# Altium PCB C210.PcbDoc (part 5 of 8) (continued)
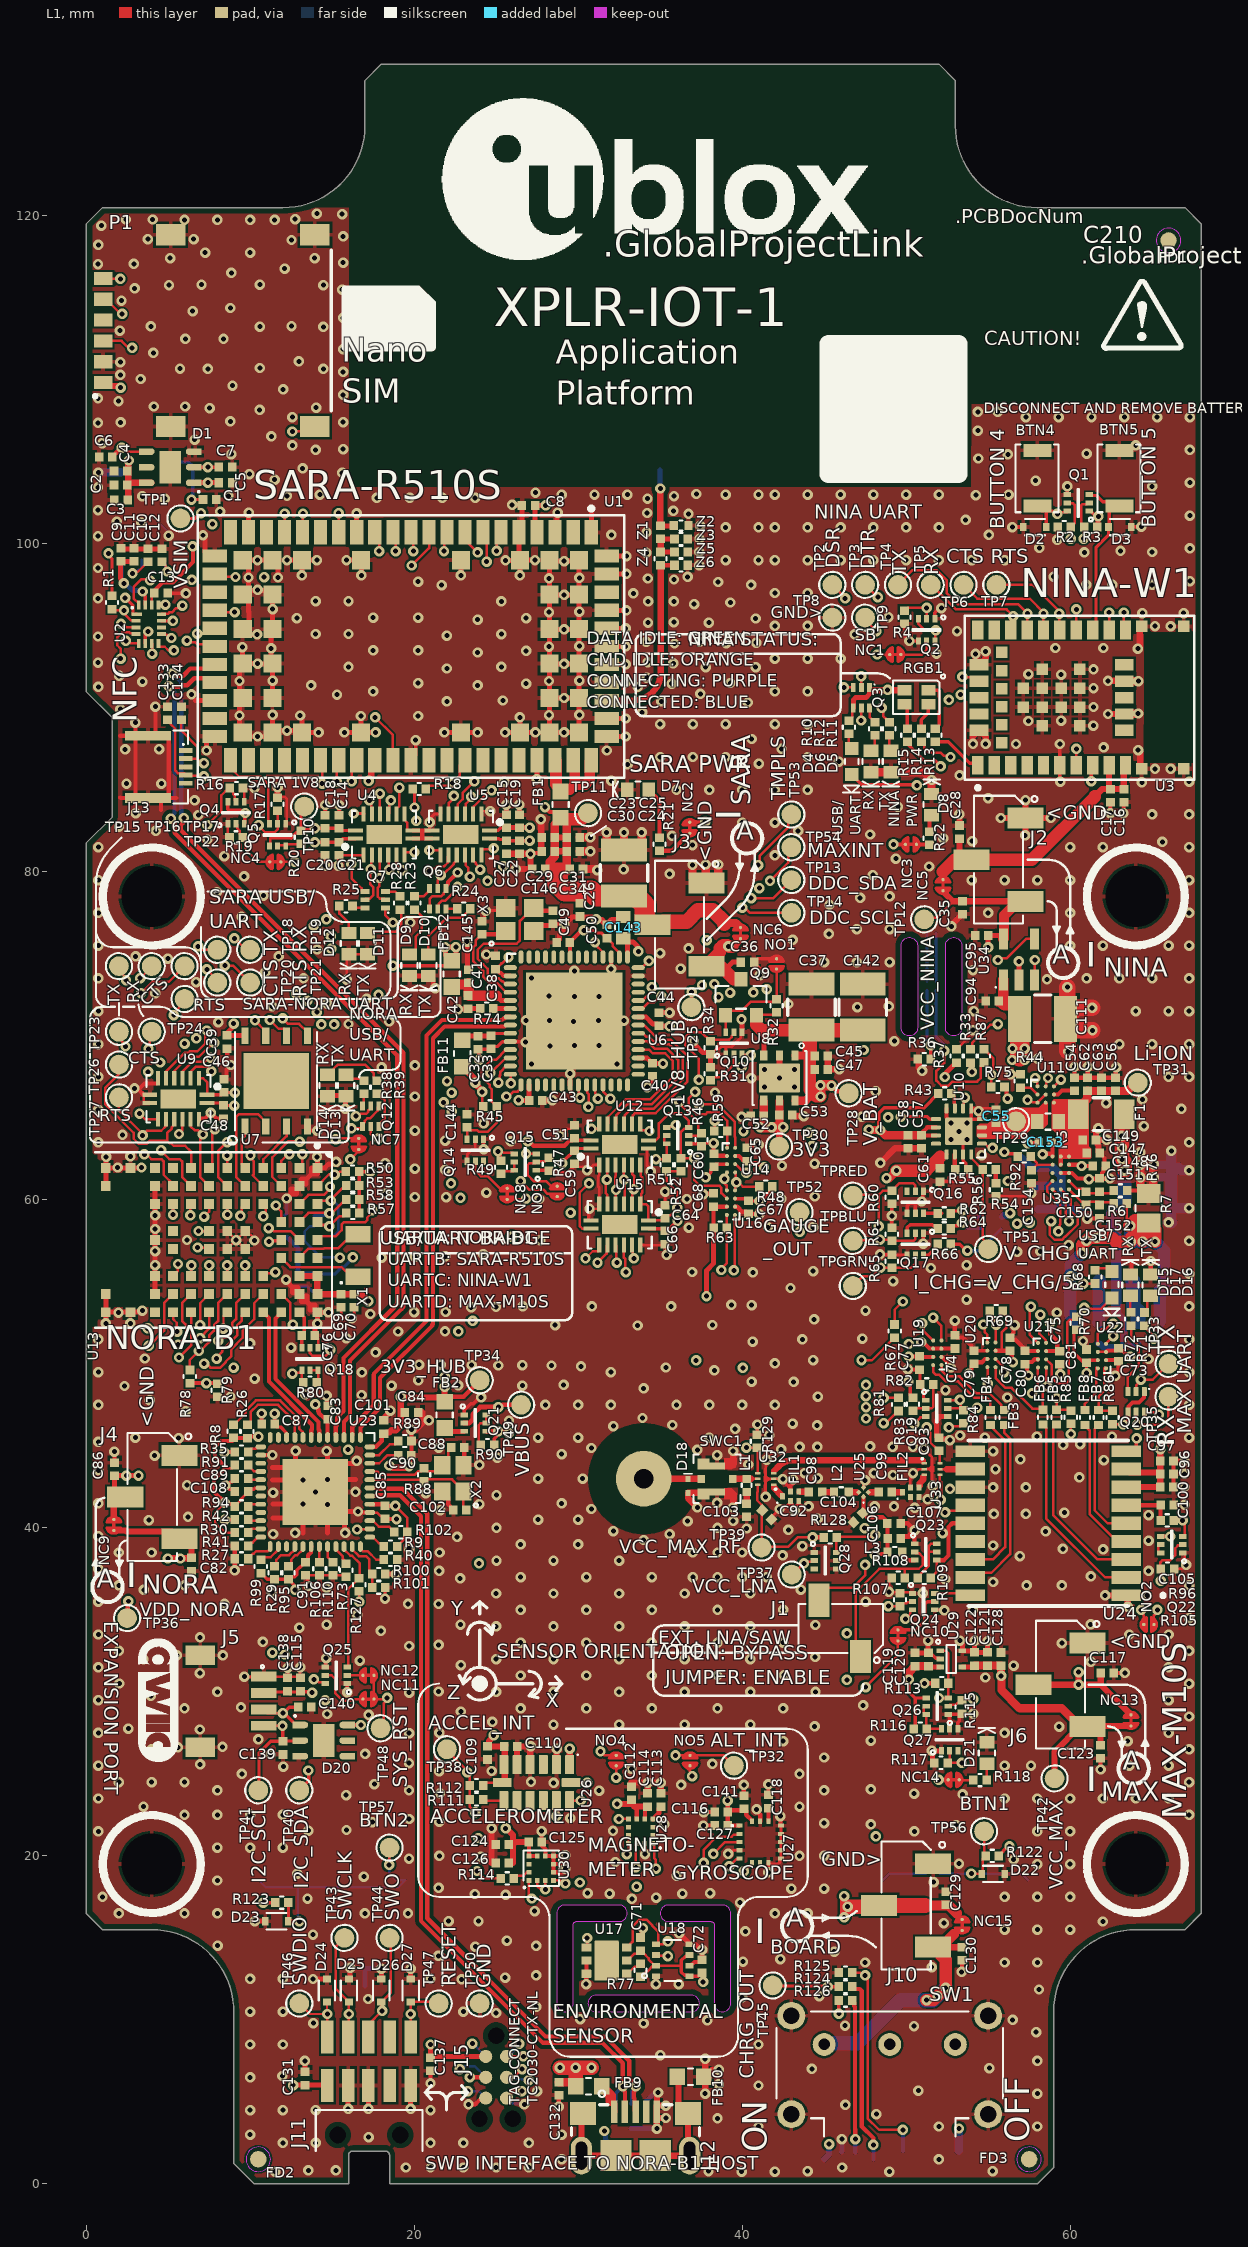
[diagram p0: L1 view]
## Nets (pads, with @x,y where several pads share a name; then routed paths per layer and width w, separated by ;. In a path a pad name is that pad's centre, name@x,y a point inside that pad or via, vN(x,y) a via of type N, cw(c..) or ccw(c..) an arc to the next point about the centre after c; other vN are vias at no path point) (continued)
NetFB9_1: FB9.1 J12.1 | length 1.9
  L1 w0.381: 32,5.075 32,5.07 32.2,4.87 J12.1@32.2,4.395
  L1 w0.635: FB9.1@31.447,5.95 31.447,5.925 32,5.372 32,5.075
NetFB10_2: FB10.2 J12.6 | length 14.4
  L1 w0.381: J12.6@30.3,4.295 30.201,4.196 J12.6@30.2,1.72 J12.6@36.8,1.721 36.7,1.821 J12.6@36.7,4.295 36.125,4.87 36.125,6.3 FB10.2@35.9,6.525
NetFIL1_1: FIL1.1 U32.1 | length 0.7
  L1 w0.391: 41.95,42.49 41.95,42.425 FIL1.1@42.4,41.975
NetFIL2_4: FIL2.4 U33.3 | length 0.6
  L1 w0.391: FIL2.4@50.821,42.571 50.821,42.724 51.054,42.958 51.054,43.111
NetJ1_1: J1.1 Q23.2 R108.1 | length 10.6
  L1 w0.152: J1.1@47.2,32.072 46.925,32.347 46.925,36.06 48.369,37.504 49.95,37.504 ; R108.1@49.913,36.954 49.913,37.467 49.95,37.504 ; Q23.2@50.513,38.529 50.587,38.455 50.773,38.455 51.011,38.218 51.011,37.746 50.769,37.504 49.95,37.504
NetJ1_2: J1.2 U24.13 | length 13.5
  L1 w0.152: J1.2@44.7,35.6 44.7,35.816 45.239,36.354 46.754,36.354 47.496,37.096 v1(47.496,37.75) ; v1(52.384,40.942) 52.514,40.942 52.628,41.055 53.589,41.055 U24.13@53.913,41.379
  L5 w0.152: v1(47.496,37.75) 48.383,37.75 49.162,38.529 51.814,38.529 52.761,39.476 52.761,40.546 52.384,40.923 v1(52.384,40.942)
NetJ14_1: J14.1 R200.2 R203.2 | length 2.6
  L6 w0.762: R203.2@61.713,52.531 61.751,52.531 61.757,52.537 61.757,55.057 J14.1@61.8,55.1
NetJ14_2: J14.2 R201.2 R202.2 | length 2.7
  L6 w0.889: J14.2@63.8,55.1 63.856,55.045 63.856,53.514 64.136,53.234 64.136,52.577 R201.2@64.141,52.572
NetL1_2: L1.2 SWC1.C U32.5 | length 1.5
  L1 w0.152: 40.556,42.987 40.561,42.983 U32.5@40.95,42.983
  L1 w0.391: SWC1.C@39.43,42.987 40.556,42.987
NetL2_1: L2.1 U25.4 | length 0.5
  L1 w0.391: L2.1@46.5,42.175 46.5,42.167 U25.4@47,42.167
NetL3_1: L3.1 Q23.3 | length 1
  L1 w0.254: L3.1@49.688,38.454 50.113,38.029 Q23.3@50.513,38.029
NetNC1_1: NC1.1 Q2.5 | length 2.2
  L1 w0.152: NC1.1@49.676,93.25 50.956,93.25 51.25,93.544 Q2.5@51.25,94.075
NetNC2_2: NC2.2 R21.2 | length 2.3
  L1 w0.254: R21.2@34.96,81.283 35.708,81.283 NC2.2@36.802,82.378
NetNC3_2: NC3.2 R22.2 | length 0.8
  L1 w0.254: NC3.2@50.625,81.675 51.4,81.675 R22.2@51.425,81.65
NetNC4_1: NC4.1 Q4.2 R19.1 | length 3.6
  L1 w0.152: Q4.2@9.142,82.931 9.217,82.856 9.217,82.647 9.365,82.5 9.365,82.278 R19.1@9.542,82.1 9.692,81.95 9.692,81.408 10.493,80.607 NC4.1@11.198,80.607
NetNC7_1: NC7.1 U31.5 | length 11.1
  L1 w0.152: v1(16.116,62.474) 16.116,62.481 16.625,62.99 NC7.1@16.625,63.07
  L3 w0.152: v1(15.472,56.474) 15.472,56.586 16.304,57.418 16.304,62.144 16.281,62.167 16.281,62.179 16.116,62.344 v1(16.116,62.474)
  L6 w0.152: U31.5@13.9,58.4 13.646,58.4 13.325,58.079 13.325,57.49 14.32,56.494 15.452,56.494 v1(15.472,56.474)
NetNC8_1: NC8.1 Q14.5 | length 3
  L1 w0.152: Q14.5@23.731,62.351 23.731,61.807 23.725,61.801 24.071,61.454 24.475,61.454 25.229,60.701 NC8.1@25.675,60.701
NetNC10_1: NC10.1 Q24.5 | length 3.5
  L1 w0.203: NC10.1@49.5,33.779 50.572,33.779 51.143,34.35 51.143,35.343 51.301,35.5 51.734,35.5 Q24.5@51.738,35.504
NetNC11_1: NC11.1 Q25.5 | length 3.5
  L1 w0.152: Q25.5@14.575,31.006 14.974,31.006 15.2,30.78 15.2,29.908 15.659,29.449 16.29,29.449 16.4,29.559 NC11.1@16.875,29.559
NetNC12_1: NC12.1 Q25.2 | length 1
  L1 w0.152: Q25.2@15.925,31.006 Q25.2@15.925,31.006 NC12.1@16.875,31.007
NetNC14_1: NC14.1 Q26.3 R113.1 U29.1 | length 9.5
  L1 w0.152: v1(51.985,24.636) 51.986,24.637 NC14.1@52.563,24.637 ; v1(52.006,29.625) Q26.3@52.575,29.625 R113.1@52.575,30.525 52.575,32.35 52.419,32.506 U29.1@52.075,32.506
  L3 w0.152: v1(51.985,24.636) 52.109,24.76 52.109,26.19 52.109,26.642 52.109,29.521 v1(52.006,29.625)
NetNC14_2: NC14.2 R118.2 | length 0.9
  L1 w0.152: NC14.2@53.238,24.637 53.257,24.619 R118.2@54.1,24.619
NetNO1_1: NO1.1 Q9.1 Q10.6 R32.1 | length 6.8
  L1 w0.152: Q9.1@38.733,71.027 38.742,71.017 Q9.1@38.975,71.25 ; Q10.6@38.999,70.225 38.999,71.226 Q9.1@38.975,71.25 ; R32.1@42.099,72.235 R32.1@42.108,72.244 ; NO1.1@42.1,74.075 42.1,73.9 42.1,72.092 40.552,72.092 39.998,71.538 39.263,71.538 Q9.1@38.975,71.25
NetNO2_2: NO2.2 Q22.3 R96.2 | length 8.7
  L1 w0.152: NO2.2@65.111,34.106 65.111,34.459 65.111,34.668 65.317,34.874 v1(65.317,35.004) ; R96.2@66.323,40.454 66.335,40.466 66.35,40.451 v1@66.85,40.451 ; v1(66.86,40.451) v1@66.85,40.451 ; Q22.3@66.863,39.479 66.975,39.591 66.975,40.326 v1@66.85,40.451
  L4 w0.152: v1(65.317,35.004) 66.046,35.733 66.046,38.621 66.86,39.435 v1(66.86,40.451)
NetNO3_1: NO3.1 Q15.2 R47.2 | length 4.2
  L1 w0.152: R47.2@28.22,62.569 28.005,62.355 27.498,62.355 Q15.2@27.447,62.304 27.383,62.24 27.046,62.24 26.927,62.12 26.927,61.509 27.308,61.128 28.068,61.128 28.372,60.824 NO3.1@28.725,60.824
NetNO4_1: NO4.1 U28.7 | length 4.3
  L1 w0.152: v1(32.314,24.775) 32.325,24.786 32.325,25.325 NO4.1@32.325,25.5 ; v1(32.482,22.25) U28.7@33.075,22.25
  L3 w0.152: v1(32.314,24.775) 32.925,24.164 32.925,22.693 v1(32.482,22.25)
NetNO5_1: NO5.1 U27.6 | length 8.8
  L1 w0.15: 36.775,25.328 NO5.1@36.775,25.471
  L1 w0.152: 36.503,25.5 NO5.1@36.825,25.5 ; 36.725,25.278 36.814,25.189 36.814,25.167 36.949,25.032 v1(36.949,24.857) ; v1(40.1,19.054) 40.129,19.054 40.6,19.525 U27.6@40.6,19.575
  L3 w0.152: v1(36.949,24.857) 36.949,24.166 39.825,21.29 39.825,19.46 40.1,19.185 v1(40.1,19.054)
NetQ1_2: Q1.2 Q5.2 R3.1 R17.2 U13.C4 | length 96.6
  L1 w0.15: v1(10.525,82.844) 10.525,82.8 10.921,82.404 11.488,82.404 11.672,82.589 Q5.2@11.672,82.925 R17.2@11.672,83.725 ; v1(11.57,59.654) 11.558,59.642 11.9,59.3 U13.C4@11.9,58.65
  L1 w0.152: v1(60.821,100.319) 60.821,100.996 R3.1@60.85,101.025 60.673,101.202 60.673,102.336 60.762,102.425 61.025,102.425 61.1,102.5 Q1.2@61.175,102.5
  L3 w0.15: v1(10.525,82.844) 10.525,82.073 15.472,77.127 15.472,74.389 14.065,72.981 v1(14.065,71.444) 13.775,71.154 13.775,70.326 12.148,68.698 12.148,63.707 11.843,63.402 11.843,61.643 11.2,61 11.2,60.024 v1(11.57,59.654)
  L4 w0.152: v1(14.065,71.444) 14.065,72.367 16.543,74.846 20.523,74.846 21.945,76.267 23.808,76.267 24.596,75.479 25.871,75.479 26.16,75.19 32.495,75.19 33.422,76.118 36.819,76.118 37.627,75.31 38.161,75.31 39.576,76.725 40.663,76.725 44.871,80.934 44.871,82.903 52,90.032 52,91.805 58.716,98.521 59.023,98.521 v1(60.821,100.319)
NetQ1_5: Q1.5 R2.1 R81.2 U13.D3 | length 118.9
  L1 w0.152: v1(10.8,59) 10.95,59.15 10.95,59.6 U13.D3@10.8,59.75 ; v1(48.629,47.929) 49.521,47.929 R81.2@49.525,47.925 ; Q1.5@59.825,102.5 59.858,102.467 60.186,102.467 60.275,102.378 60.275,101.265 60.025,101.015 v1(60.025,100.3)
  L3 w0.152: v1(10.8,59) 10.8,61.03 11.539,61.769 11.539,63.528 11.844,63.833 11.844,68.824 13.471,70.451 13.471,71.28 13.49,71.299 13.49,72.143 v1(13.494,72.146) ; v1(37.843,75.83) 37.843,75.7 38.084,75.458 38.084,75.257 38.084,75.01 39.878,73.216 39.878,72.517 38.864,71.503 38.864,62.054 38.396,61.586 38.396,60.826 40.038,59.184 v1(40.038,49.758)
  L4 w0.152: v1(13.494,72.146) 13.494,72.213 16.438,75.157 20.44,75.157 21.829,76.547 23.922,76.547 23.923,76.548 28.051,76.548 29.039,77.536 30.625,77.536 30.734,77.646 35.931,77.646 37.58,75.997 37.606,75.997 37.773,75.83 v1(37.843,75.83) ; v1@37.95,75.862 39.109,77.021 40.528,77.021 44.566,81.06 44.566,83.029 51.695,90.158 51.695,91.895 58.6,98.8 58.907,98.8 59.982,99.875 59.982,100.257 v1(60.025,100.3) ; v1(40.038,49.758) 40.169,49.758 40.31,49.9 41.002,49.9 41.669,49.233 42.737,49.233 42.925,49.421 47.8,49.421 48.221,49 48.221,48.337 v1(48.629,47.929)
NetQ2_2: Q2.2 R4.1 U13.G7 | length 75.9
  L1 w0.152: U13.G7@7.5,55.35 v1(7.5,56) ; R4.1@49.9,95.9 50.1,96.1 v1(51.25,96.1) ; Q2.2@51.25,95.425 v1@51.25,96.125
  L3 w0.152: v1(7.5,56) 7.5,56.548 7.5,57 8.674,58.174 9.751,58.174 10.25,58.672 10.25,60.911 11.235,61.895 11.235,63.654 11.539,63.959 11.539,68.996 13.167,70.623 13.167,71.249 12.731,71.684 12.731,72.466 v1(12.821,72.556)
  L4 w0.152: v1(12.821,72.556) 12.847,72.556 13.246,72.955 13.805,72.955 16.287,75.437 20.324,75.437 21.714,76.826 23.518,76.826 23.519,76.827 27.744,76.827 28.732,77.816 30.509,77.816 30.619,77.925 36.08,77.925 36.705,77.3 40.376,77.3 44.262,81.186 44.262,83.156 51.25,90.144 v1(51.25,96.1)
NetQ2_3: Q2.3 Q2.6 U3.19 | length 12.9
  L1 w0.152: Q2.3@50.75,95.425 50.75,95.117 51.117,94.75 51.776,94.75 v1(51.796,94.73) ; Q2.6@51.75,94.075 51.7,94.125 51.775,94.2 v1@51.775,94.75 ; U3.19@60.375,94.75 v1(60.375,96)
  L3 w0.152: v1(51.796,94.73) 51.796,94.771 53.316,96.291 60.084,96.291 v1(60.375,96)
NetQ3_3: Q3.3 R11.2 | length 6.8
  L1 w0.152: v1(46.2,91.25) Q3.3@46.775,91.25 ; v1(48.5,90) 48.592,89.908 48.592,89.508 48.776,89.324 48.776,89.309 48.96,89.125 R11.2@48.975,89.125
  L3 w0.152: v1(46.2,91.25) 46.725,90.725 46.725,89.021 47.071,88.675 47.438,88.675 47.775,89.012 47.775,89.371 48.404,90 v1(48.5,90)
NetQ3_6: Q3.6 R12.2 | length 1
  L1 w0.152: Q3.6@47.775,90 47.775,89.435 48.085,89.125 R12.2@48.1,89.125
NetQ4_3: Q4.3 Q4.6 U1.18 | length 23.1
  L1 w0.152: U1.18@12.1,100.7 v1(12.1,101.85)
  L1 w0.203: Q4.6@8.642,84.281 8.642,83.82 8.688,83.775 9.407,83.775 v1@9.626,83.556 ; Q4.3@9.642,82.931 9.673,82.962 9.673,83.556 v1(9.704,83.586)
  L3 w0.152: v1(9.704,83.586) 9.704,83.618 10.811,84.725 10.811,87.636 11.701,88.526 11.701,88.871 12.244,89.414 12.244,98.175 11.704,98.715 11.704,99.281 12.1,99.678 v1(12.1,101.85)
NetQ4_5: Q4.5 R16.1 U13.E3 | length 32.5
  L1 w0.152: v1(7.384,82.856) 8.241,83.714 8.241,84.656 R16.1@8.691,85.106 ; R16.1@8.765,85.106 8.765,85.032 8.965,84.831 8.965,84.734 9.065,84.634 9.065,84.359 Q4.5@9.142,84.281 ; v1(9.399,59.025) 9.476,59.102 9.476,59.526 U13.E3@9.7,59.75
  L3 w0.152: v1(7.384,82.856) 7.425,82.815 7.81,82.815 12.707,77.918 12.707,73.798 12.275,73.366 12.275,71.68 12.568,71.387 12.568,70.887 10.93,69.249 10.93,64.211 10.625,63.907 10.625,62.148 9.399,60.922 v1(9.399,59.025)
NetQ5_3: Q5.3 U1.33 | length 5.6
  L1 w0.152: U1.33@8.8,86.8 8.8,86.335 9.335,85.799 10.651,85.799 11.1,85.35 11.1,82.997 Q5.3@11.172,82.925
NetQ5_5: Q5.5 Q5.6 R20.2 | length 1.6
  L1 w0.152: Q5.5@11.672,81.575 11.672,81.625 Q5.6@12.172,81.625 ; Q5.6@12.172,81.575 12.172,81.675 R20.2@13.097,81.675
NetQ6_3: Q6.3 R24.2 | length 0.7
  L1 w0.152: Q6.3@21.942,77.749 R24.2@22.625,77.75 R24.2@22.625,77.75
NetQ6_6: Q6.6 R23.2 | length 1.2
  L1 w0.152: R23.2@20.025,78.5 20.568,78.5 20.942,78.874 Q6.6@20.942,78.999
NetQ7_3: Q7.3 R28.2 | length 1
  L1 w0.15: Q7.3@18.25,78.8 18.85,78.8 R28.2@19.15,78.5
NetQ7_6: Q7.6 R25.2 | length 0.8
  L1 w0.152: R25.2@16.242,77.907 16.349,77.8 Q7.6@17,77.8
NetQ10_2: Q10.2 R31.1 U13.C1 | length 40.7
  L1 w0.152: U13.C1@11.9,61.95 11.9,62.375 12.312,62.787 v1(12.396,62.787) ; R31.1@38.075,67.3 38.259,67.483 38.737,67.483 39.499,68.245 ; Q10.2@39.499,68.875 39.499,68.245 ; v1(39.968,68.125) 39.876,68.217 39.526,68.217 39.499,68.245
  L3 w0.152: v1(12.396,62.787) 12.388,62.795 12.388,63.518 12.451,63.581 12.451,68.573 14.275,70.396 14.275,70.706 v1(14.339,70.706)
  L4 w0.152: v1(14.339,70.706) 15.208,71.575 17.727,71.575 18.252,72.1 19.295,72.1 20.666,70.729 24.575,70.729 25.165,70.139 29.285,70.139 29.347,70.078 30.067,70.078 30.11,70.121 34.484,70.121 35.766,68.839 39.254,68.839 v1(39.968,68.125)
NetQ10_3: Q10.3 U1.15 | length 57.6
  L1 w0.152: v1(15.397,101.875) 15.397,100.703 U1.15@15.4,100.7 ; Q10.3@39.999,68.875 40.025,68.849 40.503,68.849 v1(40.529,68.823)
  L3 w0.152: v1(15.397,101.875) 15.397,100.95 18.197,98.15 18.197,87.55 16.704,86.057 16.704,84.012 16.834,83.882 16.834,79.243 16.987,79.09 16.987,73.638 17.739,72.886 17.739,72.591 v1(17.825,72.505)
  L4 w0.152: v1(17.825,72.505) 17.917,72.412 18.122,72.412 18.156,72.379 19.411,72.379 20.781,71.009 24.71,71.009 25.3,70.419 29.448,70.419 29.509,70.357 29.941,70.357 29.984,70.401 34.623,70.401 35.905,69.118 39.37,69.118 39.666,68.823 v1(40.529,68.823)
NetQ10_5: Q10.5 R34.1 U13.C2 | length 43.5
  L1 w0.152: U13.C2@11.9,60.85 11.35,61.4 11.35,62.584 12.349,63.584 12.993,63.584 v1(13.022,63.554) ; v1(37.355,67.321) 37.355,68.608 36.543,69.42 36.543,69.904 36.582,69.943 36.582,69.975 36.819,70.212 37.523,70.212 38.06,69.675 R34.1@38.075,69.675 38.175,69.775 39.211,69.775 39.352,69.916 39.352,70.003 39.499,70.15 Q10.5@39.499,70.225
  L3 w0.152: v1(13.022,63.554) 13.022,63.587 12.756,63.853 12.756,68.344 15.118,70.706 v1(15.127,70.706)
  L4 w0.152: v1(15.127,70.706) 15.685,71.263 15.769,71.263 15.773,71.267 17.896,71.267 18.45,71.82 19.18,71.82 20.55,70.45 24.459,70.45 26.088,68.821 35.389,68.821 35.65,68.56 36.171,68.56 37.355,67.376 v1(37.355,67.321)
NetQ12_3: Q12.3 R39.2 | length 2.4
  L1 w0.152: R39.2@17.733,66.475 17.748,66.475 18.02,66.203 18.08,66.203 18.211,66.072 18.211,64.957 17.855,64.6 Q12.3@17.855,64.475
NetQ12_6: Q12.6 R38.2 | length 0.8
  L1 w0.152: Q12.6@16.855,65.725 16.855,65.85 16.931,65.927 R38.2@16.931,66.475
NetQ13_2: Q13.2 R46.1 U13.J7 | length 44.2
  L1 w0.152: U13.J7@5.3,55.35 5.601,55.651 5.601,55.985 5.549,56.037 v1(5.601,56.089) ; v1(36.171,65.984) 36.171,65.878 37.326,64.723 37.326,64.258 37.51,64.074 R46.1@37.525,64.074 37.374,63.923 Q13.2@36.75,63.923
  L4 w0.152: v1(5.601,56.089) 6.058,56.546 8.596,56.546 8.925,56.875 11.388,56.875 12.829,58.316 12.829,60.296 11.85,61.275 11.85,63.225 12.725,64.1 13.325,64.1 13.925,63.5 14.476,63.5 14.805,63.171 15.579,63.171 15.733,63.325 16.478,63.325 16.755,63.047 22.597,63.047 23.546,63.996 24.921,63.996 25.367,64.442 29.274,64.442 29.977,65.145 32.781,65.145 32.915,65.28 34.835,65.28 35.539,65.984 v1(36.171,65.984)
NetQ15_3: Q15.3 U1.17 | length 50.9
  L1 w0.15: U1.17@13.2,100.7 13.221,100.721 v1(13.221,101.85) ; v1(26.819,62.81) 26.822,62.807 27.444,62.807 Q15.3@27.447,62.804
  L3 w0.15: v1(13.221,101.85) 13.224,101.853 14.55,101.853 15.148,102.45 16.7,102.45 17.95,101.2 19.975,101.2 21,100.175 21,84.019 25.025,79.994 25.025,68.709 26.895,66.84 26.895,65 26.414,64.52 26.414,63.233 26.819,62.827 v1(26.819,62.81)
NetQ15_5: Q15.5 Q15.6 R49.2 | length 1.4
  L1 w0.152: R49.2@25.296,61.586 25.338,61.586 25.502,61.75 26.043,61.75 Q15.6@26.097,61.804 Q15.5@26.097,62.304
NetQ16_6: Q16.6 R62.1 | length 1.1
  L1 w0.203: Q16.6@51.063,59.175 R62.1@52.168,59.175
NetQ17_3: Q17.3 R64.1 | length 2.4
  L1 w0.203: Q17.3@50.063,57.97 50.075,57.982 50.075,58.325 50.242,58.492 51.602,58.492 51.852,58.242 R64.1@51.919,58.242
NetQ17_6: Q17.6 R66.1 | length 1.1
  L1 w0.203: Q17.6@51.063,56.62 51.347,56.62 R66.1@51.919,57.192
NetQ18_5: Q18.5 Q18.6 R80.2 | length 1.3
  L1 w0.152: Q18.5@13.65,49.621 Q18.6@14.15,49.621 14.15,48.95 R80.2@14.05,48.85
NetQ19_2: Q19.2 R82.1 R83.1 | length 2.7
  L1 w0.152: R83.1@50.413,47.129 50.563,47.279 Q19.2@51.188,47.279 51.558,47.279 51.663,47.384 R82.1@51.663,48.749
NetQ19_5: Q19.5 Q19.6 R84.2 U20.C2 | length 7.1
  L1 w0.152: Q19.5@52.538,47.279 53.388,47.279 R84.2@53.488,47.179 53.332,47.336 53.332,47.751 v1@53.225,47.858 ; Q19.6@52.538,47.779 52.602,47.843 52.652,47.793 53.266,47.793 v1(53.279,47.806) ; U20.C2@55.45,50.3 55.878,49.872 55.878,49.592 v1(55.971,49.5)
  L4 w0.152: v1(53.279,47.806) 54.072,48.599 54.072,48.8 54.772,49.5 v1(55.971,49.5)
NetQ20_3: Q20.3 R72.2 | length 4.5
  L1 w0.152: Q20.3@63.525,48.3 63.525,49.225 64.189,49.889 64.189,51.078 63.725,51.542 R72.2@63.725,52.336
NetQ20_6: Q20.6 R71.2 | length 6.8
  L1 w0.152: Q20.6@64.525,47.05 65.268,47.05 v1(65.418,46.9) ; R71.2@64.525,52.332 64.54,52.332 64.724,52.148 64.724,52.06 65.005,51.78 65.005,51.628 v1(65.097,51.535)
  L4 w0.152: v1(65.097,51.535) 65.097,51.53 65.418,51.21 v1(65.418,46.9)
NetQ21_5: Q21.5 Q21.6 R90.2 | length 2.3
  L1 w0.152: R90.2@24.076,45.05 23.938,45.188 23.938,46.27 24.057,46.388 Q21.5@24.403,46.388 Q21.6@24.403,46.888
NetQ22_2: Q22.2 R67.2 R105.1 | length 36.5
  L1 w0.152: R67.2@49.3,52.4 49.3,53.3 v1(49.8,53.8) ; v1(65.525,36.775) 65.538,36.788 R105.1@65.538,37.504 65.5,37.543 65.5,37.9 65.629,38.029 66.104,38.029 66.41,38.335 66.41,38.759 66.576,38.925 66.809,38.925 Q22.2@66.863,38.979
  L4 w0.152: v1(49.8,53.8) 49.827,53.827 50.24,53.827 50.663,54.25 52.425,54.25 53.164,54.989 54.18,54.989 54.898,54.271 61.208,54.271 62.369,53.11 62.71,53.11 63.173,52.648 63.173,51.676 64.189,50.659 64.189,50.016 64.871,49.334 64.871,44.514 65.525,43.861 v1(65.525,36.775)
NetQ22_5: Q22.5 Q22.6 | length 0.6
  L1 w0.152: Q22.6@65.4,38.525 65.363,38.562 65.363,38.925 65.418,38.979 Q22.5@65.513,38.979
NetQ23_5: Q23.5 Q23.6 R109.1 | length 3.2
  L1 w0.152: R109.1@50.713,36.954 50.713,37.029 51.388,37.704 51.388,38.529 ; Q23.5@51.863,38.529 51.388,38.529 ; Q23.6@51.863,39.029 51.511,39.029 51.388,38.906 51.388,38.529
NetQ24_2: Q24.2 R81.1 R107.1 | length 14.3
  L1 w0.152: v1(48.629,46.381) 48.721,46.473 48.858,46.473 49.51,47.125 R81.1@49.525,47.125 ; v1(48.921,35.225) R107.1@49.625,35.225 49.8,35.4 50.013,35.4 50.063,35.45 50.334,35.45 Q24.2@50.388,35.504
  L3 w0.152: v1(48.629,46.381) 48.6,46.353 48.6,42.662 48.66,42.603 48.66,36.825 48.429,36.595 48.429,35.716 v1(48.921,35.225)
NetQ24_3: Q24.3 U24.9 | length 21.7
  L1 w0.152: v1(49.95,34.45) 50.25,34.75 50.25,34.866 Q24.3@50.388,35.004
  L1 w0.203: U24.9@63.413,44.679 64.032,44.679 64.032,45.432 v1(64.054,45.454)
  L4 w0.203: v1(49.95,34.45) 50.033,34.367 50.252,34.367 50.285,34.334 54.309,34.334 64.054,44.079 v1(64.054,45.454)
NetQ24_6: Q24.6 U24.18 | length 2.2
  L1 w0.152: Q24.6@51.738,36.004 53.788,36.004 U24.18@53.913,35.879
NetQ25_3: Q25.3 R127.2 U23.34 | length 8.1
  L1 w0.152: U23.34@15.725,38.862 15.725,38.687 16.112,38.3 16.217,38.3 16.671,37.847 R127.2@16.671,36.93 ; Q25.3@15.925,31.506 15.975,31.556 15.975,36.277 16.291,36.593 16.298,36.593 16.635,36.93 R127.2@16.65,36.93
NetQ26_2: Q26.2 R115.1 U13.D8 | length 78.5
  L1 w0.152: v1(7.199,50.017) 7.33,50.017 7.571,49.776 7.728,49.776 7.734,49.769 8.187,49.769 8.506,50.089 8.506,50.126 8.853,50.473 8.853,50.91 9.55,51.607 9.55,52.023 10.25,52.723 10.25,53.7 U13.D8@10.8,54.25 ; Q26.2@52.575,29.125 52.65,29.2 53,29.2 R115.1@53.275,29.475 ; R115.1@53.393,29.475 R115.1@53.275,29.475 ; v1(54.088,29.554) 53.354,29.554 R115.1@53.275,29.475
  L3 w0.152: v1(54.088,29.554) 52.555,31.088 52.555,33.924 53.39,34.759 53.39,38.552 54.175,39.336 54.175,47.153 v1(54.347,47.325)
  L4 w0.152: v1(7.199,50.017) 7.199,50.199 7.425,50.425 7.425,50.59 7.703,50.868 8.208,50.868 8.426,50.65 10.965,50.65 11.853,51.538 12.865,51.538 14.082,50.322 17.226,50.322 17.389,50.159 17.978,50.159 18.926,51.107 39.668,51.107 40.221,50.554 43.931,50.554 44.12,50.742 47.502,50.742 50.958,47.286 53.495,47.286 53.534,47.325 v1(54.347,47.325)
NetQ26_5: Q26.5 Q26.6 Q27.6 R116.2 | length 2.4
  L1 w0.152: Q26.6@51.175,28.65 51.075,28.75 51.075,29.05 51.15,29.125 Q26.5@51.225,29.125 ; Q26.6@51.225,28.625 51.213,28.613 51.213,27.787 R116.2@51.25,27.75 Q27.6@52.15,27.75
NetQ27_2: Q27.2 R117.1 U1.23 | length 117.1
  L1 w0.152: U1.23@7.85,98.15 8.025,97.975 8.03,97.98 v1(9.11,97.98) ; Q27.2@52.65,26.4 52.65,25.8 R117.1@52.525,25.675 v1(53.393,25.675)
  L3 w0.152: v1(9.11,97.98) 9.055,97.98 7.864,96.789 7.864,90.368 7.871,90.361 7.871,83.94 13.648,78.163 13.648,77.496 13.876,77.268 13.876,76.736 v1(13.889,76.722) ; v1(41.05,79.01) 41.121,78.939 41.121,78.191 41.635,77.678 41.635,75.45 46.86,70.225 46.86,68.878 47.165,68.573 47.895,68.573 50.761,65.708 50.761,62.966 53.975,59.752 53.975,57.925 53.125,57.075 53.125,53.514 53.612,53.026 53.612,51.993 54.35,51.255 54.35,48.976 53.801,48.427 53.801,46.92 53.87,46.851 53.87,39.463 53.085,38.678 53.085,34.885 52.25,34.05 52.25,30.869 53.393,29.725 v1(53.393,25.675)
  L4 w0.152: v1(13.889,76.722) 13.982,76.63 14.383,76.63 14.434,76.578 14.866,76.578 14.869,76.581 15.743,76.581 16.049,76.275 19.977,76.275 21.366,77.664 23.171,77.664 24.161,78.654 30.162,78.654 30.271,78.763 40.177,78.763 40.423,79.01 v1(41.05,79.01)
NetQ28_6: Q28.6 R128.1 U33.4 | length 9.8
  L1 w0.152: Q28.6@45.75,38.5 45.75,39.4 45.805,39.455 47.861,39.455 47.982,39.576 v1(48.112,39.576) ; U33.4@52.064,43.233 52.064,42.872 52.146,42.791 52.146,41.765 v1(52.106,41.725)
  L5 w0.152: v1(48.112,39.576) 49.034,39.576 49.901,40.443 50.823,40.443 v1(52.106,41.725)
NetR6_2: R6.2 R7.2 R202.1 R203.1 | length 23.9
  L1 w0.152: R6.2@63.464,59.767 63.464,58.743 63.668,58.539 v1(63.668,58.408)
  L1 w0.762: v1(60.731,56.762) 60.731,57.248 v1(60.983,57.5) 61.177,57.695 62.543,57.695 62.783,57.455 v1(63.7,57.455) 63.7,57.648 64.447,58.395 64.447,57.477 v1(64.425,57.455) ; R7.2@64.791,58.589 64.941,58.589 65.135,58.395 65.135,58.245 65.175,58.206 v1(65.175,57.455)
  L1 w0.889: v1(63.668,58.408) 63.772,58.512 64.128,58.512 63.975,58.683 63.96,58.7 ; R7.2@64.42,58.7 64.681,58.7 R7.2@64.791,58.589
  L6 w0.762: R203.1@60.413,52.531 60.413,52.594 60.019,52.988 60.019,54.434 59.986,54.466 59.986,55.228 60.044,55.287 60.044,56.076 v1(60.731,56.762) 60.731,57.248 v1(60.983,57.5) 61.177,57.695 v1(61.626,57.695) ; v1(63.668,58.408) 63.668,57.486 v1(63.7,57.455) v1(65.175,57.455) 65.745,56.885 65.745,54.771 65.45,54.477 R202.1@65.45,52.568
  other v1: 60.044,55.348
NetR8_1: R8.1 U23.8 | length 6.4
  L1 w0.152: R8.1@9,46.288 9.015,46.288 9.744,47.018 9.744,47.168 10.348,47.772 11.826,47.772 13.004,46.593 13.004,46.039 13.197,45.846 13.197,45.54 U23.8@13.225,45.512
NetR9_2: R9.2 U23.37 | length 1.1
  L1 w0.152: U23.37@17.3,39.437 17.475,39.437 17.851,39.061 17.977,39.061 18.161,38.877 R9.2@18.161,38.862
NetR13_1: R13.1 U3.1 | length 3.2
  L1 w0.203: R13.1@51.775,87.925 52.575,87.925 53.882,86.618 ; 53.887,86.618 53.882,86.618 ; U3.1@54.375,86.5 54.257,86.618 53.882,86.618
NetR13_2: R13.2 RGB1.1 | length 3.1
  L1 w0.203: RGB1.1@51.35,91.075 51.945,91.075 52.017,91.003 52.017,90.667 52.029,90.655 52.029,89.795 52.017,89.783 52.017,88.967 R13.2@51.775,88.725
NetR14_2: R14.2 RGB1.2 | length 1.7
  L1 w0.203: R14.2@50.925,88.725 50.925,89.264 51.35,89.689 RGB1.2@51.35,90.225
NetR15_1: R15.1 U3.8 | length 13.4
  L1 w0.203: R15.1@50.075,87.925 50.075,87.817 51.105,86.787 51.77,86.787 52.105,86.453 v1(52.105,86.426) ; v1(61.29,85.525) 61.29,86.415 U3.8@61.375,86.5
  L3 w0.203: v1(52.105,86.426) 52.107,86.429 53.004,86.429 53.15,86.575 60.24,86.575 v1(61.29,85.525)
NetR15_2: R15.2 RGB1.3 | length 1.6
  L1 w0.203: RGB1.3@49.9,90.225 50.075,90.05 R15.2@50.075,88.725
NetR18_2: R18.2 TP53.1 U1.46 U22.D2 | length 71.6
  L1 w0.152: R18.2@20.722,85.05 20.722,85.065 20.906,85.249 22.04,85.249 22.217,85.425 v1(22.347,85.425) 22.796,85.874 22.796,86.496 U1.46@23.1,86.8 ; v1@40.95,80.425 41.067,80.542 41.067,80.96 42.8,82.693 42.8,83.3 TP53.1@43,83.5 ; U22.D2@61.688,51.225 61.688,51.862 61.942,52.116 62.188,52.116 62.526,52.455 v1(62.63,52.455)
  L3 w0.152: v1(22.347,85.425) 21.857,84.935 21.857,83.661 25.09,80.428 25.334,80.428 v1(25.426,80.336) ; v1(40.975,80.414) 40.975,80.175 41.788,80.175 42.25,79.713 42.25,75.625 51.7,66.175 51.7,63.355 55.006,60.05 56.61,60.05 57.171,59.489 57.779,59.489 58.326,58.942 58.326,58.075 60.143,56.259 60.57,56.259 61.656,55.174 61.656,52.97 62.083,52.542 62.542,52.542 v1(62.63,52.455)
  L4 w0.152: v1(25.426,80.336) 25.442,80.32 25.57,80.32 25.971,80.721 26.423,80.721 26.595,80.55 30.832,80.55 31.332,81.05 40.339,81.05 v1(40.975,80.414)
NetR26_1: R26.1 U23.9 | length 5.1
  L1 w0.152: R26.1@9.825,46.275 9.84,46.275 10.024,46.459 10.024,47.053 10.464,47.493 11.71,47.493 12.725,46.478 U23.9@12.725,45.512
NetR27_2: R27.2 U23.25 | length 1.8
  L1 w0.152: R27.2@9.875,38.116 9.875,38.131 10.174,38.43 10.22,38.43 10.374,38.584 11.082,38.584 11.185,38.687 11.225,38.687 U23.25@11.225,38.862
NetR29_1: R29.1 U23.28 | length 2
  L1 w0.152: R29.1@11.5,37.657 11.6,37.756 11.6,38.056 11.878,38.334 12.372,38.334 12.725,38.687 U23.28@12.725,38.862
NetR30_2: R30.2 U23.23 | length 0.9
  L1 w0.15: R30.2@9.875,39.734 9.875,39.749 10.063,39.937 U23.23@10.65,39.937
NetR33_2: R33.2 U34.4 | length 9.1
  L1 w0.152: R33.2@54.025,69.164 54.025,69.564 55.136,70.675 55.563,70.675 v1(55.597,70.709) ; v1(55.597,74.625) 55.689,74.717 56.117,74.717 57.308,75.908 U34.4@57.825,75.908
  L4 w0.152: v1(55.597,70.709) v1(55.597,74.625)
NetR35_2: R35.2 U23.13 | length 0.9
  L1 w0.152: R35.2@9.875,44.637 9.875,44.652 10.059,44.836 10.334,44.836 10.435,44.937 U23.13@10.65,44.937
NetR36_2: R36.2 RT1.1 U10.1 | length 12.9
  L1 w0.152: U10.1@54.618,63.423 54.798,63.423 54.985,63.236 55.215,63.236 v1(55.276,63.175)
  L1 w0.203: v1(51.493,69.425) 51.5,69.418 R36.2@51.5,68.575
  L3 w0.203: v1(51.493,69.425) 51.493,69.308 51.75,69.05 51.75,68.89 55.276,65.365 v1(55.276,63.175)
  L6 w0.203: RT1.1@51.275,72.775 51.275,69.759 51.493,69.542 v1(51.493,69.425)
NetR37_1: R37.1 U13.B1 U34.3 | length 59.6
  L1 w0.152: U13.B1@13,61.95 13.183,62.133 v1(13.183,62.781) ; U34.3@57.825,73.408 57.851,73.434 v1(57.851,74.625)
  L1 w0.305: v1(52.361,67.489) 52.424,67.552 52.424,67.735 53.06,68.371 R37.1@53.075,68.371
  L4 w0.152: v1(13.183,62.781) 13.573,63.171 14.373,63.171 14.678,62.866 15.705,62.866 15.864,63.025 16.347,63.025 16.604,62.768 22.713,62.768 23.661,63.716 25.067,63.716 25.503,64.151 27.265,64.151 28.047,63.369 29.159,63.369 29.829,64.038 29.829,64.151 30.543,64.866 32.897,64.866 33.031,65 34.95,65 35.414,65.464 36.664,65.464 36.845,65.283 37.523,65.283 38.255,66.016 38.579,66.016 38.594,66.03 44.102,66.03 44.349,65.783 46.738,65.783 46.989,66.034 51.184,66.034 52.271,67.121 52.271,67.391 v1@52.363,67.483 ; v1@52.361,67.486 52.361,67.612 52.604,67.855 52.604,67.959 54.695,70.05 54.695,74.731 54.353,75.073 54.353,75.603 54.75,76 56.476,76 v1(57.851,74.625)
NetR40_2: R40.2 U23.36 | length 1.8
  L1 w0.152: U23.36@16.725,38.862 16.725,38.727 16.89,38.562 17.186,38.562 17.692,38.057 R40.2@18.161,38.057
NetR41_2: R41.2 U23.24 | length 1
  L1 w0.152: R41.2@9.875,38.923 10.059,39.107 10.145,39.107 10.475,39.437 U23.24@10.65,39.437
NetR42_2: R42.2 U23.22 | length 0.8
  L1 w0.152: R42.2@9.875,40.55 9.988,40.437 U23.22@10.65,40.437
NetR43_1: R43.1 U10.7 | length 1
  L1 w0.203: R43.1@52.765,66.49 52.924,66.331 52.924,65.88 52.968,65.835 U10.7@52.968,65.573
NetR44_2: R44.2 U11.B1 | length 1.3
  L1 w0.152: R44.2@56.985,66.847 57.585,66.847 U11.B1@58.01,66.422
  L1 w0.203: R44.2@56.887,66.748 R44.2@56.985,66.847
NetR54_2: R54.2 R56.1 | length 0.8
  L1 w0.254: R56.1@55.458,61.863 55.466,61.854 55.466,61.031 R54.2@55.475,61.022
NetR55_2: R55.2 U10.14 | length 0.9
  L1 w0.254: U10.14@52.968,62.773 52.968,61.884 R55.2@52.99,61.863
NetR56_2: R56.2 TP51.1 U10.16 | length 6.2
  L1 w0.152: U10.16@53.968,62.773 53.968,62.552 R56.2@54.658,61.863 54.658,57.626 55,57.283 TP51.1@55,57